# KiCad board magnetopad.kicad_pcb
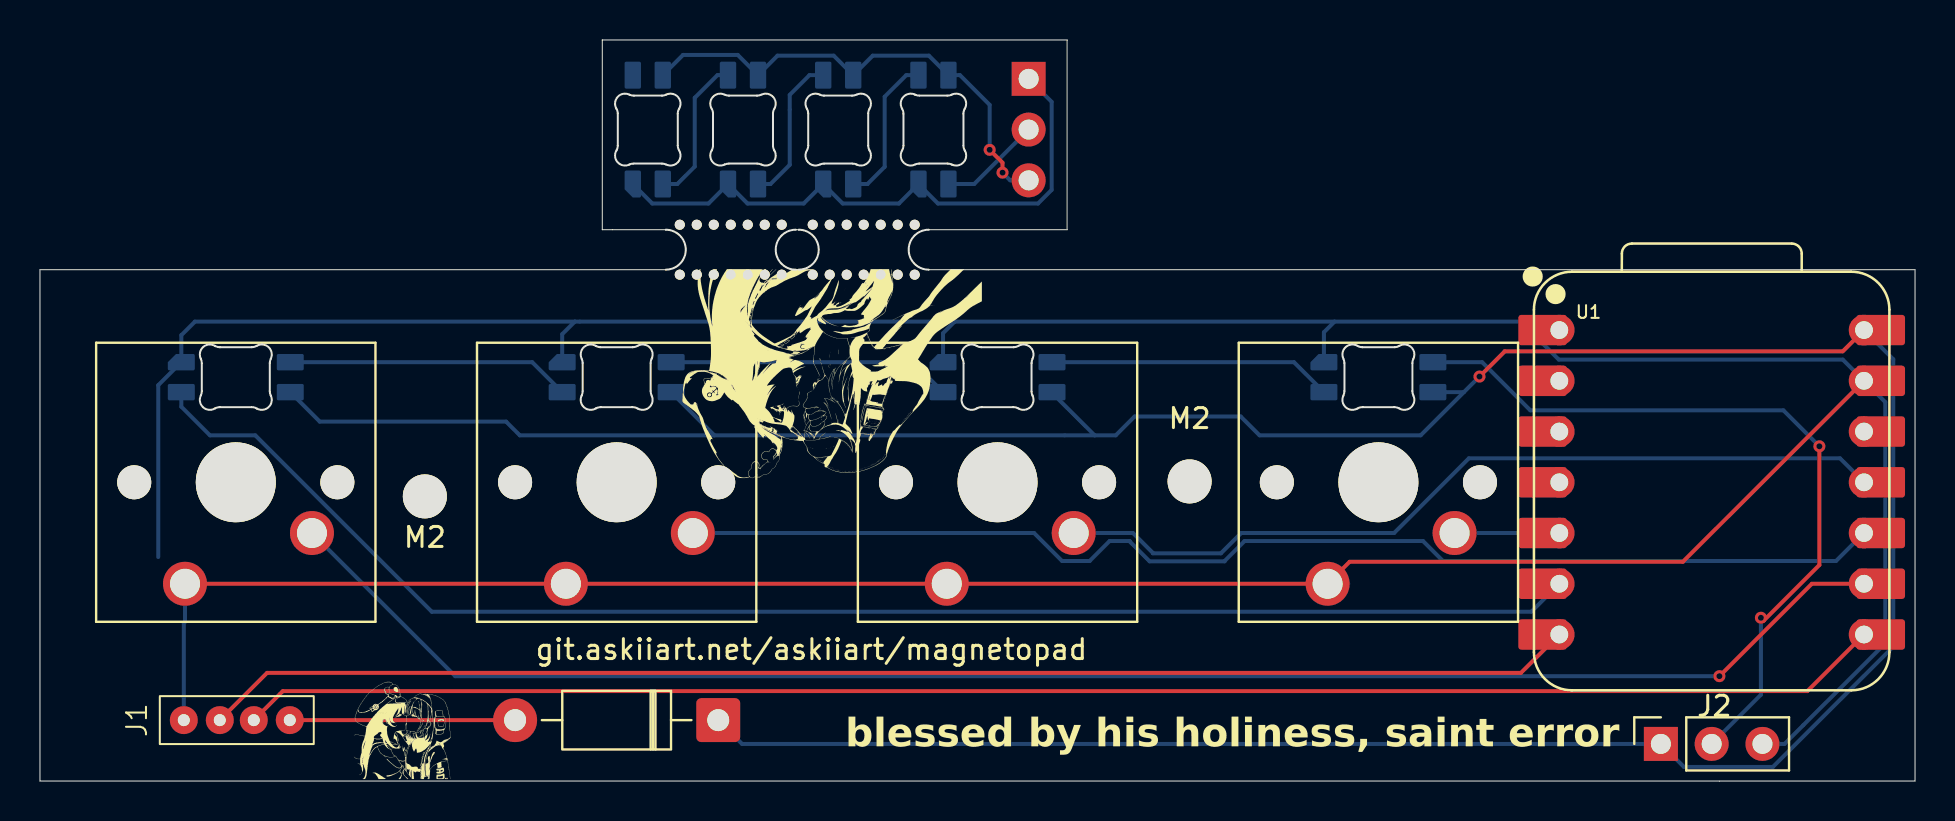
[diagram p0: board, top side]
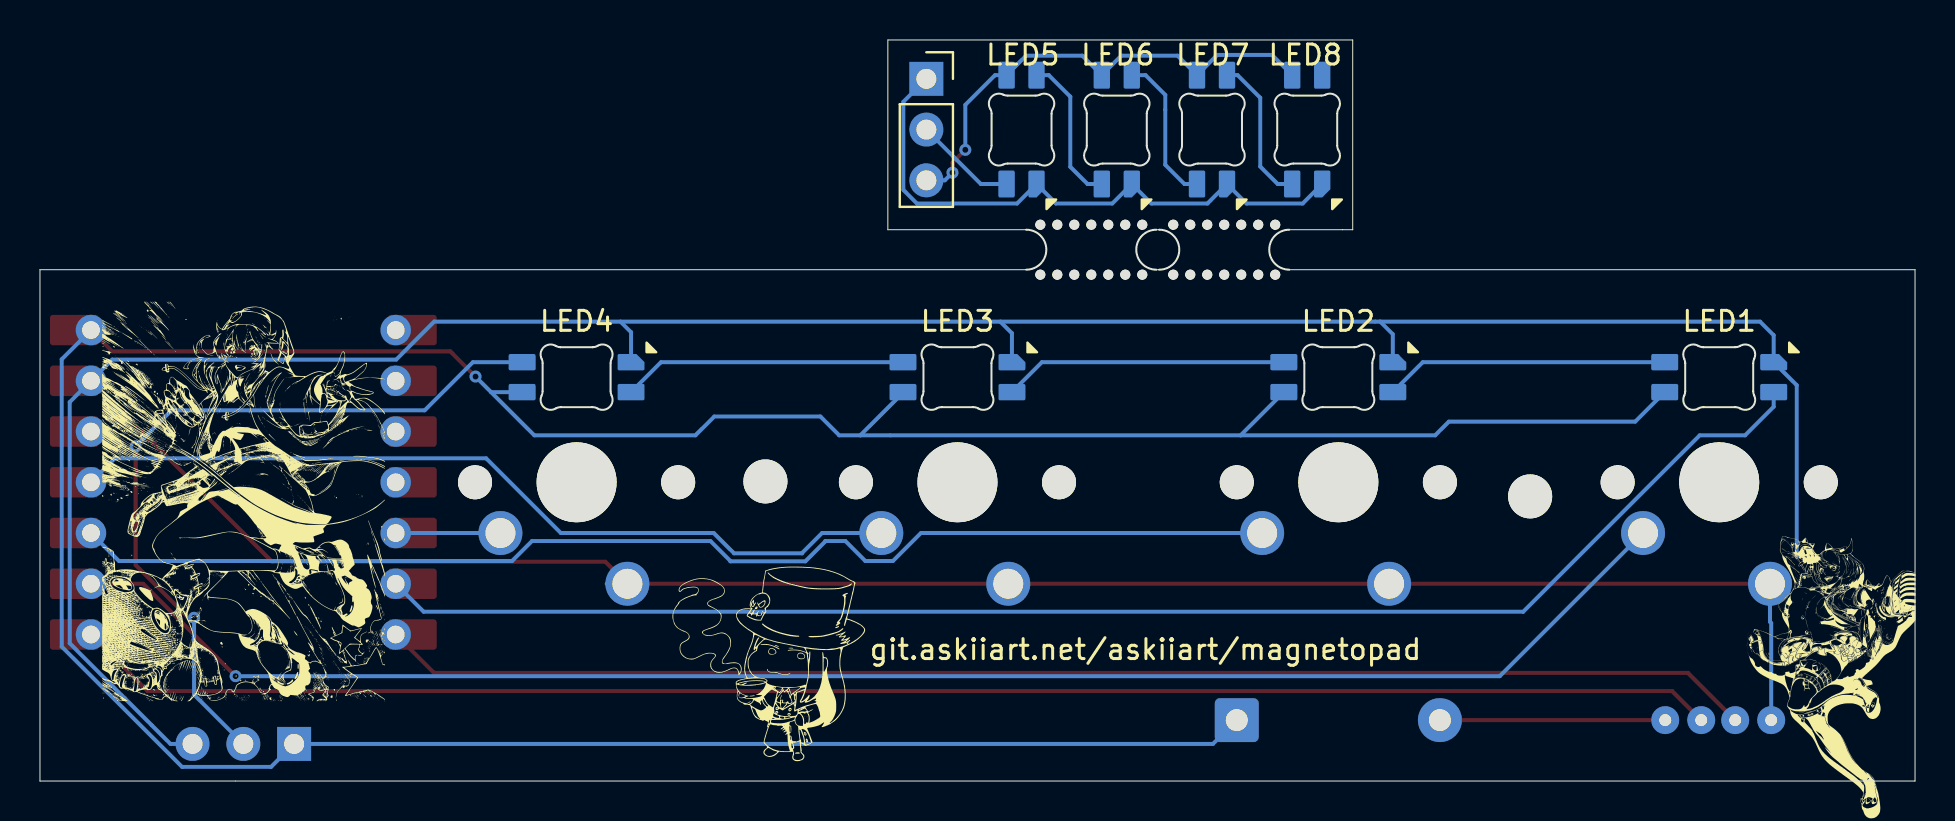
[diagram p1: board, bottom side, seen from below]

Outline 93.78 x 37.1 mm; copper layers: Top, Bottom. Coordinates in mm from the lower left corner of the outline.
Outline path: 31.3,25.6 0,25.6 0,0 93.78,0 93.78,25.6 44.45,25.6 ; 31.3,27.6 28.12,27.6 28.12,37.1 51.38,37.1 51.38,27.6 44.45,27.6 ; 37.8,27.6 37.95,27.6 ; 37.8,25.6 37.95,25.6

## Placement (name value [footprint] x y rotation side)
D6  1N4001  [D_DO-41_SOD81_P10.16mm_Horizontal]  33.92 3.05 180 top
G***  -  [LOGO]  39.4 20.12 180 top
G***#2  -  [LOGO]  18.2 2.6 0 top
G***#3  -  [LOGO]  57.5 5.8 180 bottom
G***#4  -  [LOGO]  83.6 14 180 bottom
G***#5  -  [LOGO]  4.23 4.98 180 bottom
J1  Conn_01x04_Pin  [PinSocket_1x04_P1.8mm_Vertical]  4.84 4.75 0 top
J2  Conn_01x03_Socket  [PinSocket_1x03_P2.54mm_Vertical]  81.07 1.86 90 top
J3  Conn_01x03_Socket  [PinSocket_1x03_P2.54mm_Vertical]  49.45 35.15 180 bottom
LED1  SK6812MINI-E  [LED_6028R]  9.79 20.22 0 bottom
LED2  SK6812MINI-E  [LED_6028R]  28.84 20.22 0 bottom
LED3  SK6812MINI-E  [LED_6028R]  47.89 20.22 0 bottom
LED4  SK6812MINI-E  [LED_6028R]  66.94 20.22 0 bottom
LED5  SK6812MINI-E  [LED_6028R]  44.69 32.61 90 bottom
LED6  SK6812MINI-E  [LED_6028R]  39.92 32.61 90 bottom
LED7  SK6812MINI-E  [LED_6028R]  35.16 32.61 90 bottom
LED8  SK6812MINI-E  [LED_6028R]  30.4 32.61 90 bottom
M2  -  [MountingHole_2.2mm_M2]  19.25 14.25 0 top
M2#2  -  [MountingHole_2.2mm_M2]  57.5 15 0 top
REF**  -  [MouseBite-Slot_2.0x4.5mm_inset_D0.5mm_P0.85mm_7h]  34.55 25.6 0 top  (not fitted)
REF**#2  -  [MouseBite-Slot_2.0x4.5mm_inset_D0.5mm_P0.85mm_7h]  41.2 25.6 0 top  (not fitted)
SW1  SW_Push  [SW_Cherry_MX_1.00u_PCB]  7.25 9.88 180 top
SW2  SW_Push  [SW_Cherry_MX_1.00u_PCB]  26.3 9.88 180 top
SW3  SW_Push  [SW_Cherry_MX_1.00u_PCB]  45.35 9.88 180 top
SW4  SW_Push  [SW_Cherry_MX_1.00u_PCB]  64.4 9.88 180 top
U1  -  [XIAO-RP2040-DIP]  83.61 14.96 0 top

## Library data of the parts
D6 = -: Datasheet: http://www.vishay.com/docs/88503/1n4001.pdf; Description: 50V 1A General Purpose Rectifier Diode, DO-41; Sim.Device: D; Sim.Pins: 1=K 2=A; ki_fp_filters: D*DO?41*
J1 = -: Description: Generic connector, single row, 01x04, script generated; ki_fp_filters: Connector*:*_1x??_*
J2 J3 = -: Description: Generic connector, single row, 01x03, script generated; ki_fp_filters: Connector*:*_1x??_*
LED1-LED8 = -: Description: Reverse mount adressable LED (WS2812 protocol)
SW1-SW4 = -: Description: Push button switch, generic, two pins

## Footprints (pads in the part's own frame, mm; a bottom-side part is the same pattern mirrored in y, then rotated)
D_DO-41_SOD81_P10.16mm_Horizontal
  rrect 2.2x2.2 hole 1.1: 1(0,0)
  round 2.2 hole 1.1: 2(10.16,0)
LED_6028R
  rrect 1.35x0.82 smd: 1(2.725,0.75) 2(2.725,-0.75) 3(-2.725,0.75) 4(-2.725,-0.75)
MountingHole_2.2mm_M2
  round 2.2 hole 2.2 unplated: (0,0)
MouseBite-Slot_2.0x4.5mm_inset_D0.5mm_P0.85mm_7h
  round 0.5 hole 0.5 unplated: (-2.55,2.25) (-2.55,-0.25) (-1.7,2.25) (-1.7,-0.25) (-0.85,2.25) (-0.85,-0.25) (0,2.25) (0,-0.25) (0.85,2.25) (0.85,-0.25) (1.7,2.25) (1.7,-0.25) (2.55,2.25) (2.55,-0.25)
PinSocket_1x03_P2.54mm_Vertical
  rect 1.7x1.7 hole 1: 1(0,0)
  round 1.7 hole 1: 2(0,-2.54) 3(0,-5.08)
PinSocket_1x04_P1.8mm_Vertical
  round 1.4 hole 0.6: 1(2.35,-1.7) 2(4.15,-1.7) 3(5.85,-1.7) 4(7.65,-1.7)
SW_Cherry_MX_1.00u_PCB
  round 1.7 hole 1.7 unplated: (-7.62,-5.08) (2.54,-5.08)
  round 4 hole 4 unplated: (-2.54,-5.08)
  round 2.2 hole 1.5: 1(0,0) 2(-6.35,-2.54)
XIAO-RP2040-DIP
  rrect 2.432x1.524 smd: 1(-8.455,7.62) 2(-8.455,5.08) 3(-8.455,2.54) 4(-8.455,0) 5(-8.455,-2.54) 6(-8.455,-5.08) 7(-8.455,-7.62) 8(8.455,-7.62) 9(8.455,-5.08) 10(8.455,-2.54) 11(8.455,0) 12(8.455,2.54) 13(8.455,5.08) 14(8.455,7.62)
  round 1.524 hole 0.889: 1(-7.62,7.62) 2(-7.62,5.08) 3(-7.62,2.54) 4(-7.62,0) 5(-7.62,-2.54) 6(-7.62,-5.08) 7(-7.62,-7.62) 8(7.62,-7.62) 9(7.62,-5.08) 10(7.62,-2.54) 11(7.62,0) 12(7.62,2.54) 13(7.62,5.08) 14(7.62,7.62)

## Nets
+5V: D6.1 J2.1 LED1.1 LED2.1 LED3.1 LED4.1 U1.14
+5V_LED_board: J3.3 LED5.1 LED6.1 LED7.1 LED8.1
GND: J1.1 J2.3 LED1.4 LED2.4 LED3.4 LED4.4 SW1.1 SW2.1 SW3.1 SW4.1 U1.13
GND_LED_board: J3.1 LED5.4 LED6.4 LED7.4 LED8.4
Net-(D6-A): D6.2 J1.4
Net-(J1-Pin_2): J1.2 U1.7
Net-(J1-Pin_3): J1.3 U1.8
Net-(J2-Pin_2): J2.2 LED4.2
Net-(J3-Pin_2): J3.2 LED5.3
Net-(LED1-DIN): LED1.3 U1.6
Net-(LED1-DOUT): LED1.2 LED2.3
Net-(LED2-DOUT): LED2.2 LED3.3
Net-(LED3-DOUT): LED3.2 LED4.3
Net-(LED5-DOUT): LED5.2 LED6.3
Net-(LED6-DOUT): LED6.2 LED7.3
Net-(LED7-DOUT): LED7.2 LED8.3
Net-(U1-GPIO2/SCK): SW1.2 U1.9
Net-(U1-GPIO3/MOSI): SW3.2 U1.11
Net-(U1-GPIO4/MISO): SW2.2 U1.10
Net-(U1-GPIO6/SDA): SW4.2 U1.5

Pads without a net: LED8 2; U1 1 2 3 4 12

## Via types
v1: diameter 0.6, hole 0.3, Top to Bottom, 6 vias

## Routing (per net, layer and track width the routed paths; a pad name or vN(x,y) marks a point on that pad's centre or on a via; arc(x,y) is an arc through that point)
+5V: length 168.9
  Top w0.2: v1(72,20.25) 73.26,21.51 90.17,21.51 U1.14
  Bottom w0.2: D6.1 35.11,1.86 J2.1 82.22,0.71 86.67,0.71 92.7,6.73 92.7,21.11 U1.14 ; 52.75,17.31 33.73,17.31 ; 52.75,17.31 53.81,17.31 54.75,18.25 60.06,18.25 61,17.31 69.06,17.31 71.22,19.47 ; 52.75,17.31 50.62,19.44 LED3.1 ; LED4.1 71.22,19.47 ; 71.22,19.47 v1(72,20.25) ; LED1.1 13.99,17.99 23.31,17.99 24,17.31 33.73,17.31 ; LED2.1 33.73,17.31
+5V_LED_board: length 24.5
  Top w0.2: v1(48.14,30.46) 48.14,30.96 v1(47.5,31.6)
  Bottom w0.2: v1(47.5,31.6) 47.5,33.85 46.01,35.34 LED5.1 44.46,36.31 41.65,36.31 LED6.1 39.7,36.31 36.89,36.31 LED7.1 34.9,36.35 32.16,36.35 LED8.1 ; v1(48.14,30.46) 48.53,30.07 J3.3
GND: length 224
  Top w0.2: SW1.1 SW2.1 SW3.1 SW4.1 65.5,10.98 82.17,10.98 U1.13
  Bottom w0.2: 64.75,23 64.22,22.47 LED4.4 ; 64.75,23 45.75,23 ; 64.75,23 74.07,23 75.97,21.1 90.17,21.1 U1.13 92.3,18.97 92.3,6.9 87.26,1.86 J2.3 ; 26.75,23 26.12,22.37 LED2.4 ; 26.75,23 7.75,23 7.07,22.32 LED1.4 5.91,19.81 5.91,11.22 ; 26.75,23 45.75,23 ; SW3.1 45.94,9.88 ; SW1.1 7.25,7.97 7.19,7.91 J1.1 ; 45.75,23 45.17,22.42 LED3.4 ; 65.44,9.88 SW4.1 65.19,9.88 ; SW2.1 26.94,9.88
GND_LED_board: length 30.1
  Bottom w0.2: J3.1 50.6,34 50.6,29.6 49.92,28.91 44.91,28.91 LED5.4 42.96,28.91 40.15,28.91 LED6.4 38.2,28.91 35.39,28.91 LED7.4 33.44,28.91 30.63,28.91 LED8.4
Net-(D6-A): length 11.3
  Top w0.2: J1.4 D6.2
Net-(J1-Pin_2): length 68.8
  Top w0.2: J1.2 11.36,5.41 74.07,5.41 U1.7
Net-(J1-Pin_3): length 82.3
  Top w0.2: J1.3 12.15,4.5 88.4,4.5 U1.8
Net-(J2-Pin_2): length 38.5
  Top w0.2: v1(86.08,8.17) 86.22,8.03 89,10.82 v1(89,16.76)
  Bottom w0.2: v1(89,16.76) 87.2,18.56 74.54,18.56 72.13,20.97 LED4.2 ; J2.2 86.08,4.32 v1(86.08,8.17)
Net-(J3-Pin_2): length 5.1
  Bottom w0.2: J3.2 46.72,29.89 LED5.3
Net-(LED1-DIN): length 74.5
  Bottom w0.2: U1.6 74.59,8.48 19.6,8.48 10.77,17.31 8.5,17.31 7.07,18.74 LED1.3
Net-(LED1-DOUT): length 14.2
  Bottom w0.2: LED1.2 24.62,20.97 LED2.3
Net-(LED2-DOUT): length 14.2
  Bottom w0.2: LED3.3 43.67,20.97 LED2.2
Net-(LED3-DOUT): length 14.2
  Bottom w0.2: LED4.3 62.72,20.97 LED3.2
Net-(LED5-DOUT): length 7.6
  Bottom w0.2: LED5.2 43.33,35.34 42.25,34.26 42.25,30.75 41.39,29.89 LED6.3
Net-(LED6-DOUT): length 7.6
  Bottom w0.2: LED6.2 38.49,35.34 37.5,34.35 37.5,30.85 36.54,29.89 LED7.3
Net-(LED7-DOUT): length 7.5
  Bottom w0.2: LED8.3 31.87,29.89 32.75,30.76 32.75,34.2 33.88,35.34 LED7.2
Net-(U1-GPIO2/SCK): length 82.5
  Top w0.2: v1(84,5.25) 88.63,9.88 U1.9
  Bottom w0.2: SW1.2 20.77,5.25 v1(84,5.25)
Net-(U1-GPIO3/MOSI): length 42.4
  Bottom w0.2: U1.11 90.03,16.16 71.47,16.16 67.73,12.42 60.08,12.42 59.07,11.4 55.67,11.4 55.67,11.42 54.67,12.42 SW3.2
Net-(U1-GPIO4/MISO): length 61.4
  Bottom w0.2: SW2.2 49.72,12.42 51.12,11.02 52.5,11.02 53.5,12.02 54.5,12.02 54.5,12 55.5,11 59.25,11 59.25,11.02 60.25,12.02 69.17,12.02 70.17,11.02 89.83,11.02 U1.10
Net-(U1-GPIO6/SDA): length 5.2
  Bottom w0.2: SW4.2 U1.5

## Text on the board
B.Silkscreen: git.askiiart.net/askiiart/magnetopad
F.Silkscreen: git.askiiart.net/askiiart/magnetopad | blessed by his holiness, saint error
